# KiCad board JURA WiFi Dongle.kicad_pcb
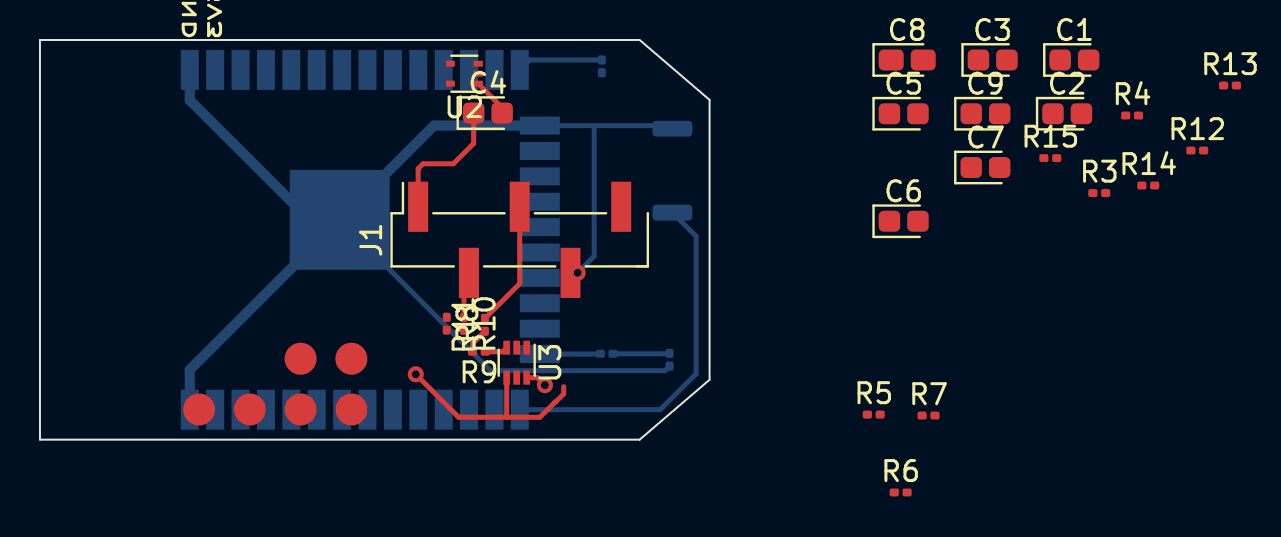
[diagram p0: board, top side]
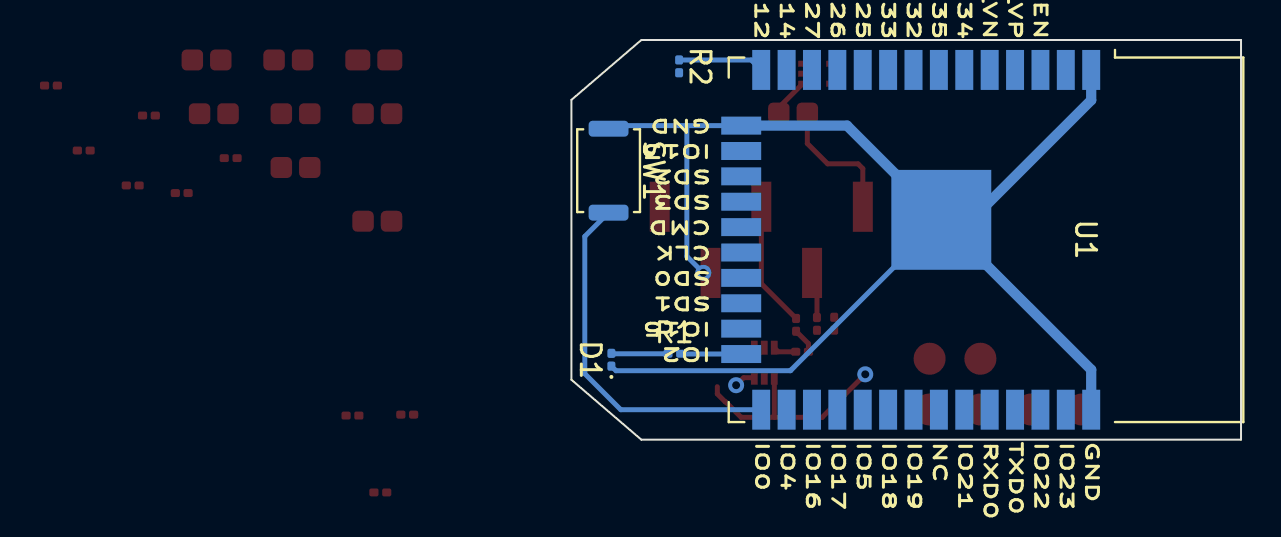
[diagram p1: board, bottom side, seen from below]

Outline 33.5 x 20 mm; copper layers: Top, Bottom. Coordinates in mm from the lower left corner of the outline.
Outline path: 0,20 30,20 33.5,17 33.5,3 30,0 0,0 0,20
Stack: Top 0.035mm / dielectric 1.51mm FR4 er 4.5 / Bottom 0.035mm

## Placement (name value [footprint] x y rotation side)
C1  C  [CP_EIA-1608-08_AVX-J]  51.75 19 0 top
C2  C  [CP_EIA-1608-08_AVX-J]  51.39 16.31 0 top
C3  C  [CP_EIA-1608-08_AVX-J]  47.66 19 0 top
C4  C  [CP_EIA-1608-08_AVX-J]  22.41 16.34 0 top
C5  C  [CP_EIA-1608-08_AVX-J]  43.21 16.31 0 top
C6  480uF  [CP_EIA-1608-08_AVX-J]  43.21 10.93 0 top
C7  C  [CP_EIA-1608-08_AVX-J]  47.3 13.62 0 top
C8  C  [CP_EIA-1608-08_AVX-J_Pad1.25x1.05mm_HandSolder]  43.39 19 0 top
C9  C  [CP_EIA-1608-08_AVX-J]  47.3 16.31 0 top
D1  TSAL4400  [LED_0201_0603Metric]  31.5 4 90 bottom
J1  Conn_01x05_MountingPin  [PinHeader_1x05_P2.54mm_Vertical_SMD_Pin1Right]  24 10 90 top
R1  100  [R_0201_0603Metric]  28.35 4.3 180 bottom
R2  7.4K  [R_0201_0603Metric]  28.11 18.68 270 bottom
R3  131,7K  [R_0201_0603Metric]  53 12.34 0 top
R4  3,9K  [R_0201_0603Metric]  54.64 16.22 0 top
R5  1K  [R_0201_0603Metric]  41.71 1.25 0 top
R6  2K  [R_0201_0603Metric]  43.06 -2.64 0 top
R7  0  [R_0201_0603Metric]  44.45 1.21 0 top
R8  100  [R_0201_0603Metric]  20.35 5.8 270 top
R9  100  [R_0201_0603Metric]  21.96 4.4 180 top
R10  0  [R_0201_0603Metric]  21.21 5.79 270 top
R11  0  [R_0201_0603Metric]  22.26 5.75 90 top
R12  8,4 K  [R_0201_0603Metric]  57.9 14.47 0 top
R13  10K  [R_0201_0603Metric]  59.54 17.72 0 top
R14  10K  [R_0201_0603Metric]  55.45 12.72 0 top
R15  10K  [R_0201_0603Metric]  50.55 14.09 0 top
REF**  -  [JURA_TEST_POINT]  7.96 1.51 0 bottom
SW1  SW_Push  [SW_Push_SPST_NO_Alps_SKRK]  31.64 13.46 270 bottom
U1  ESP32-WROOM-32D  [ESP32-WROOM-32]  15.75 10 270 bottom
U2  GL2576-5.0TA5R  [SOT-553]  21.23 18.31 180 top
U3  ICL7667  [SOT-563]  23.85 3.85 270 top

## Library data of the parts
U1 = -: Field4: 5 mm; Field5: 5 mm; Field6: KEEP-OUT ZONE; Field7: 5 mm

## Footprints (pads in the part's own frame, mm; a bottom-side part is the same pattern mirrored in y, then rotated)
CP_EIA-1608-08_AVX-J
  rrect 1.075x1.05 smd: 1(-0.713,0) 2(0.713,0)
CP_EIA-1608-08_AVX-J_Pad1.25x1.05mm_HandSolder
  rrect 1.25x1.05 smd: 1(-0.8,0) 2(0.8,0)
ESP32-WROOM-32
  rect 2x0.9 smd: 1(-8.5,8.255) 2(-8.5,6.985) 3(-8.5,5.715) 4(-8.5,4.445) 5(-8.5,3.175) 6(-8.5,1.905) 7(-8.5,0.635) 8(-8.5,-0.635) 9(-8.5,-1.905) 10(-8.5,-3.175) 11(-8.5,-4.445) 12(-8.5,-5.715) 13(-8.5,-6.985) 14(-8.5,-8.255) 25(8.5,-8.255) 26(8.5,-6.985) 27(8.5,-5.715) 28(8.5,-4.445) 29(8.5,-3.175) 30(8.5,-1.905) 31(8.5,-0.635) 32(8.5,0.635) 33(8.5,1.905) 34(8.5,3.175) 35(8.5,4.445) 36(8.5,5.715) 37(8.5,6.985) 38(8.5,8.255)
  rect 0.9x2 smd: 15(-5.715,-9.255) 16(-4.445,-9.255) 17(-3.175,-9.255) 18(-1.905,-9.255) 19(-0.635,-9.255) 20(0.635,-9.255) 21(1.905,-9.255) 22(3.175,-9.255) 23(4.445,-9.255) 24(5.715,-9.255)
  rect 5x5 smd: 39(-1,0.755)
JURA_TEST_POINT
  round 1.6 smd far side: 1(0,0) 2(2.54,0) 3(5.08,0) 4(7.62,0) 5(5.08,-2.54) 6(7.62,-2.54)
LED_0201_0603Metric
  rrect 0.318x0.36 smd: (-0.345,0) (0.345,0)
  rrect 0.46x0.4 smd: 1(-0.32,0) 2(0.32,0)
PinHeader_1x05_P2.54mm_Vertical_SMD_Pin1Right
  rect 2.51x1 smd: 2(-1.655,2.54) 3(1.655,0) 4(-1.655,-2.54) 5(1.655,-5.08) +5V(1.655,5.08)
R_0201_0603Metric
  rrect 0.318x0.36 smd: (-0.345,0) (0.345,0)
  rrect 0.46x0.4 smd: 1(-0.32,0) 2(0.32,0)
SOT-553
  rect 0.45x0.3 smd: 1(-0.7,0.5) 2(-0.7,0) 3(-0.7,-0.5) 4(0.7,-0.5) 5(0.7,0.5)
SOT-563
  rect 0.7x0.34 smd: 1(-0.75,0.5) 2(-0.75,0) 3(-0.75,-0.5) 4(0.75,-0.5) 5(0.75,0) 6(0.75,0.5)
SW_Push_SPST_NO_Alps_SKRK
  rrect 0.8x2 smd: 1(-2.1,0) 2(2.1,0)

## Nets
3V3: C1.1 C3.2 C6.2 C7.2 C8.1 R3.2 R8.1 R12.1 R13.2 R14.2 R15.1 REF**.6 U1.2 U3.6
GND: C2.1 C5.1 C6.1 C9.2 D1.1 J1.4 R2.2 R4.1 R6.1 R14.1 REF**.1 SW1.1 U1.1 U1.15 U1.38 U1.39 U2.2 U3.4
?: R9.1 U3.3
EN: REF**.5 U1.3
IO0: REF**.4 U1.25
IO2: U1.24
IO12: U1.14
IO14: U1.13
IO16: U1.27
IO17: U1.28
IO25: U1.10
IO26: U1.11
IO27: U1.12
NC: J1.2 R10.1
RxD: J1.3 REF**.3 U1.34
TxD: J1.5 REF**.2 U1.35
Net-(C1-Pad2): C1.2 R3.1 R4.2
Net-(C2-Pad2): C2.2 U2.4
Net-(C4-Pad2): C4.2 U2.1
Net-(C5-Pad2): C5.2 U3.2
Net-(C7-Pad1): C7.1 R15.2
Net-(C8-Pad2): C8.2 C9.1
Net-(D1-Pad2): D1.2 R1.1
Net-(J1-Pad1): C4.1
Net-(J1-Pad2): R10.2
Net-(J1-Pad3): R11.2
Net-(R1-Pad2): R1.2
Net-(R2-Pad1): R2.1
Net-(R5-Pad2): R5.2 R6.2 R7.1
Net-(R7-Pad2): R7.2
Net-(R8-Pad2): R8.2
Net-(R11-Pad1): R9.2 R11.1
Net-(R12-Pad2): R12.2 U3.5
Net-(R13-Pad1): R13.1
Net-(SW1-Pad2): SW1.2
Net-(U1-Pad27): R5.1

Pads without a net: C3 1; J1 +5V; U1 4 5 6 7 8 9 16 17 18 19 20 21 22 23 26 29 30 31 32 33 36 37; U2 3 5; U3 1

## Via types
v1: diameter 0.8, hole 0.4, Top to Bottom, 3 vias

## Routing (per net, layer and track width the routed paths; a pad name or vN(x,y) marks a point on that pad's centre or on a via; arc(x,y) is an arc through that point)
3V3: length 1.1
  Top w0.25: U3.6 24.89,3.1 v1(25.26,2.73)
GND: length 81.7
  Top w0.25: J1.4 26.89,8.35 v1(26.9,8.35) ; U3.4 23.35,1.12 ; 23.35,1.12 25.01,1.12 25.78,1.89 25.8,1.89 26.2,2.29 26.2,2.65 ; 23.35,1.12 20.95,1.12 v1(18.8,3.27)
  Bottom w0.25: D1.1 31.27,3.45 22.55,3.45 22.52,3.48 ; 27.72,15.72 27.72,9.18 v1(26.9,8.35) ; 27.72,15.72 31.48,15.72 SW1.1 ; 27.72,15.72 U1.15
  Bottom w0.254: 22.52,3.48 22.52,3.48 14.99,11
  Bottom w0.512: 14.99,11 19.71,15.72 U1.15 ; 14.99,11 7.49,3.5 7.49,1.5 ; 14.99,11 13.48,11 7.49,16.99 7.49,18.5
?: length 1.2
  Top w0.25: R9.1 23.15,4.4 U3.3
NC: length 2.3
  Top w0.25: R10.1 21.21,8.1 J1.2
Net-(C4-Pad2): length 2
  Top w0.25: U2.1 23.12,16.62 C4.2
Net-(D1-Pad2): length 2.8
  Bottom w0.25: 31.5,4.32 31.48,4.3 R1.1
Net-(J1-Pad1): length 6.7
  Top w0.25: 18.92,11.66 18.92,13.56 19.16,13.8 20.68,13.8 21.7,14.82 C4.1
Net-(J1-Pad3): length 6.3
  Top w0.25: 24,11.66 24,7.81 R11.2
Net-(R1-Pad2): length 3
  Bottom w0.25: R1.2 28.02,4.29 25,4.29
Net-(R2-Pad1): length 4.3
  Bottom w0.25: 24,18.5 24.5,19 R2.1
Net-(R11-Pad1): length 1.3
  Top w0.25: R11.1 21.64,4.81 R9.2
Net-(SW1-Pad2): length 18.1
  Bottom w0.25: 24,1.5 31.03,1.5 32.83,3.3 32.83,10.17 SW1.2
